# KiCad board travis_erg2024-new6.kicad_pcb (continued)
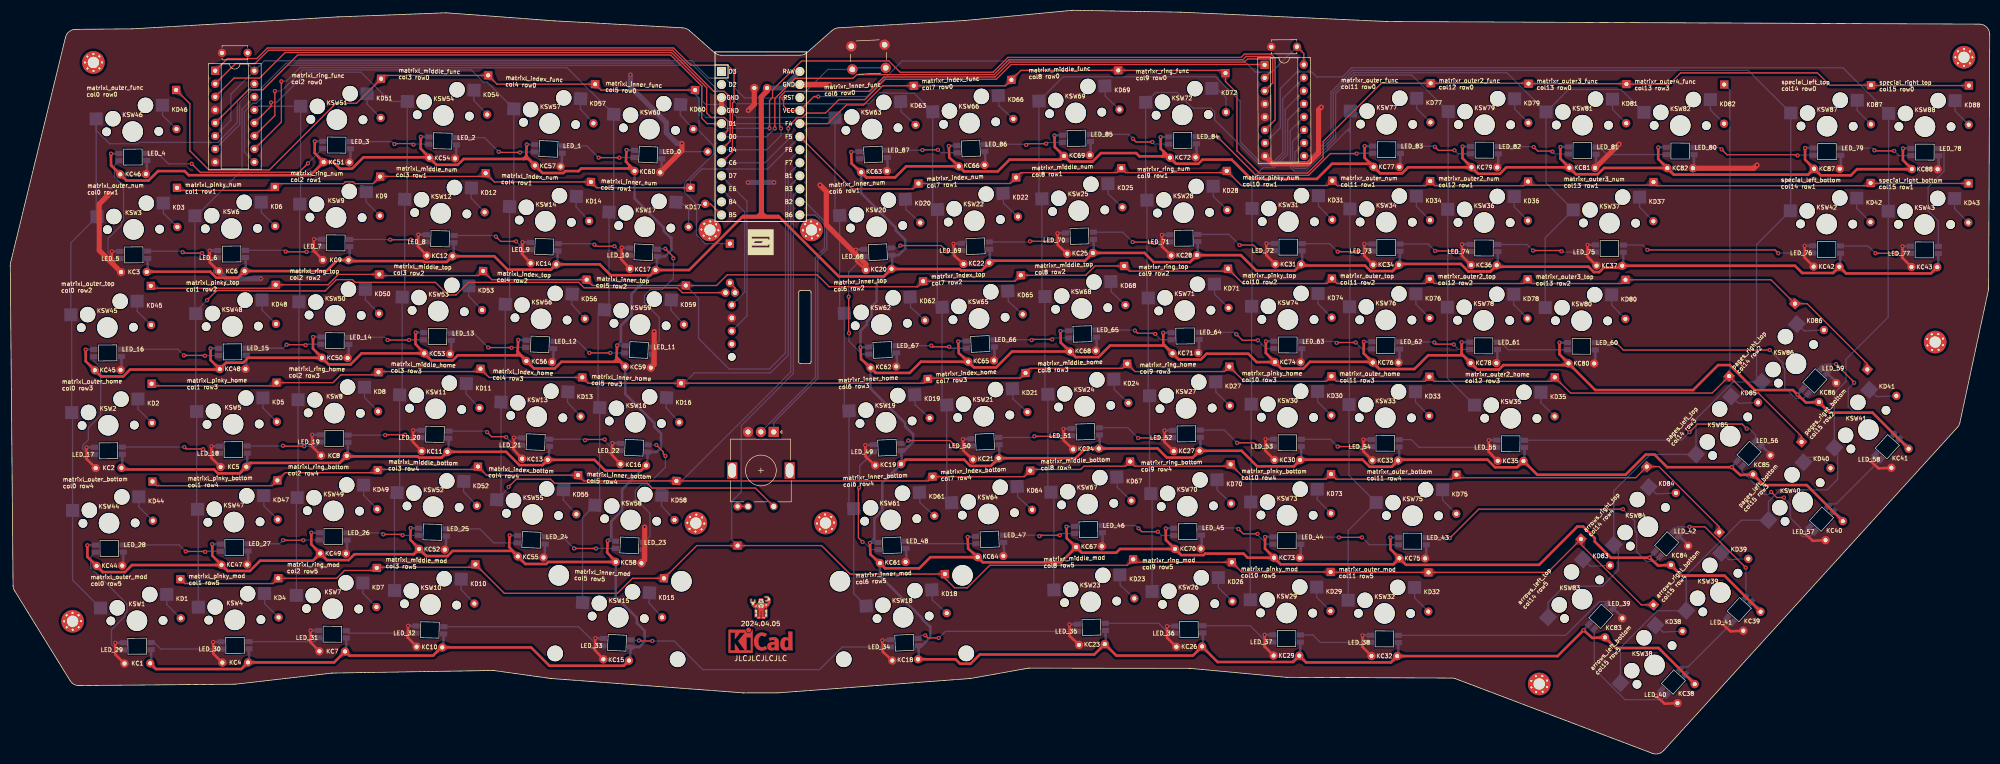
[diagram p0: board, top side]
## Routing (per net, layer and track width the routed paths; a pad name or vN(x,y) marks a point on that pad's centre or on a via; arc(x,y) is an arc through that point) (continued)
  Top w1: C1.1 147.31,129.05 146.16,127.9 146.21,113.4 146.21,104.71
  Bottom w0.5: KLED59.1 118.11,79.52 v1(118.11,79.51) 118.85,80.26 118.85,83.37 120.91,85.43 120.91,89.51 KC17.1 125.8,94.38 KLED17.1 127.41,96.81 128.66,98.06 128.66,100.47 128.5,100.47 127.21,101.76 127.21,102.4 121.51,108.11 KC60.1 ; 294.73,59.64 294.72,57.2 KC35.1 ; KC30.1 251.25,57.39 KLED30.1 ; KLED82.1 320.76,118.08 v1(320.75,118.07) ; KC25.1 210.9,97.72 KLED25.1 ; v1(182.67,118.33) 182.68,118.34 KLED66.1 ; KLED64.1 186.33,42.23 v1(186.33,42.22) ; v1(14.66,78.7) 14.67,78.7 KLED45.1 ; v1(58.6,43.05) 58.61,43.06 KLED49.1 ; KC4.1 46.47,17.99 KLED4.1 ; KC3.1 26.76,94.02 KLED3.1 ; KC1.1 27.43,17.82 KLED1.1 ; KLED67.1 205.57,44.22 v1(205.56,44.22) ; KLED9.1 66.03,96.3 KC9.1 ; KLED55.1 97.2,42.53 v1(97.19,42.52) ; KLED43.1 375.24,94.95 KC43.1 ; KC36.1 289.52,95.32 KLED36.1 ; KLED6.1 45.81,94.19 KC6.1 ; KLED44.1 15,40.6 v1(15,40.6) ; KLED7.1 65.37,20.11 KC7.1 ; KC42.1 356.19,95.03 KLED42.1 ; KC40.1 356.66,45.56 KLED40.1 ; v1(224.89,43.88) 224.9,43.89 KLED70.1 ; KLED77.1 263.61,118.33 v1(263.6,118.32) ; KC24.1 212.06,59.64 KLED24.1 ; KLED13.1 104.82,57.42 KC13.1 ; v1(306.22,24.07) 306.22,24.08 KLED83.1 ; v1(223.89,120.07) 223.9,120.08 KLED72.1 ; KLED11.1 85.28,58.98 KC11.1 ; v1(163.65,117.17) 163.66,117.17 KLED63.1 ; KLED62.1 165.49,79.12 v1(165.48,79.11) 165.48,82.33 166.73,83.58 166.73,84.22 167.14,84.6 167.42,84.98 167.61,85.18 167.61,87.03 168.61,88.03 168.61,91.53 KC20.1 171.71,94.64 KLED20.1 172.87,97.08 174.2,98.41 174.2,100.07 172.35,101.92 172.35,102.41 165.61,109.15 KC63.1 ; KLED21.1 192.55,57.75 KC21.1 ; KLED51.1 59.27,119.25 v1(59.26,119.25) ; v1(282.65,118.24) 282.66,118.24 KLED79.1 ; 79.48,43.92 77.92,43.96 v1(77.92,43.95) ; KLED46.1 19.6,116.85 v1(19.59,116.84) ; KLED2.1 21.83,55.87 KC2.1 ; KC8.1 65.7,58.21 KLED8.1 ; KLED39.1 340.65,27.94 KC39.1 ; KLED48.1 38.98,78.92 v1(38.98,78.91) ; KLED5.1 46.14,56.09 KC5.1 ; KLED31.1 251.42,95.49 KC31.1 ; KLED12.1 86.28,97.07 KC12.1 ; KLED33.1 270.3,57.31 KC33.1 ; v1(224.39,81.97) 224.4,81.98 KLED71.1 ; KLED68.1 204.4,82.31 v1(204.4,82.3) ; KLED57.1 100.52,118.66 v1(100.52,118.65) ; v1(244.39,80.3) 244.39,80.31 KLED74.1 ; KC38.1 327.84,13.84 KLED38.1 ; KLED23.1 213.22,21.56 KC23.1 ; KC61.1 169.27,34.6 177.5,26.37 177.5,26.2 178.87,24.83 179.08,24.83 179.08,22.67 177.45,21.04 KLED18.1 176.86,18.6 KC18.1 ; v1(78.91,82.04) 78.92,82.05 KLED53.1 ; KLED26.1 232.15,21.09 KC26.1 ; KLED73.1 244.23,42.21 v1(244.22,42.2) ; KC29.1 251.09,19.29 KLED29.1 ; KC59.1 119.68,70.05 125.38,64.35 125.38,63.64 126.65,62.37 126.65,59.58 125.83,58.76 KLED16.1 123.97,56.32 KC16.1 119.08,51.45 119.08,47.37 116.97,45.27 116.97,42.15 v1(116.28,41.46) 116.29,41.46 KLED58.1 ; KC32.1 270.14,19.21 KLED32.1 ; v1(58.93,81.15) 58.94,81.16 KLED50.1 ; v1(319.03,38.17) 319.03,38.18 KLED84.1 ; KC37.1 313.93,95.22 KLED37.1 ; KLED47.1 39.32,40.82 v1(39.31,40.81) ; KLED27.1 231.66,59.19 KC27.1 ; KC10.1 84.28,20.9 KLED10.1 ; KLED75.1 268.64,42.1 v1(268.63,42.1) ; KC14.1 106.48,95.48 KLED14.1 ; KLED60.1 119.94,117.57 v1(119.94,117.57) ; v1(263.44,80.22) 263.44,80.23 KLED76.1 ; v1(184.5,80.27) 184.5,80.28 KLED65.1 ; KLED54.1 79.92,120.13 v1(79.91,120.13) ; v1(368.38,117.86) 368.38,117.87 KLED88.1 ; KC15.1 120.64,18.34 KLED15.1 122.42,20.77 123.47,21.83 123.47,23.92 121.95,25.44 121.95,26.47 117.85,30.57 KC58.1 ; 168.87,41.14 167.32,41.06 v1(167.31,41.05) 168.19,41.94 168.19,45.8 169.22,46.83 169.22,46.9 169.73,47.41 169.73,52.76 KC19.1 173.54,56.59 KLED19.1 174.03,59.03 175.72,60.72 175.72,62.19 174.18,63.74 174.18,64.35 167.44,71.09 KC62.1 ; KC28.1 231.16,97.28 KLED28.1 ; KC34.1 270.47,95.41 KLED34.1 ; KLED81.1 301.71,118.16 v1(301.7,118.15) ; KLED69.1 203.24,120.39 v1(203.23,120.38) ; KLED85.1 335.04,55.8 v1(335.04,55.79) ; v1(301.54,80.05) 301.54,80.06 KLED80.1 ; KLED41.1 369.47,59.67 KC41.1 ; KLED87.1 349.33,117.95 v1(349.33,117.95) ; KC22.1 190.73,95.81 KLED22.1 ; KLED56.1 98.86,80.59 v1(98.85,80.58) ; v1(282.49,80.14) 282.49,80.14 KLED78.1 ; v1(347.85,69.89) 347.85,69.9 KLED86.1
  Bottom w1: MCU1.24 150.46,129.63 C1.1
row0: length 445.9
  Top w0.25: MCU1.20 159.08,122.69 162.72,126.33 166.07,126.33 169.8,130.06 KD63.1 193.69,130.06 KD66.1 196.69,133.06 KD69.1 235.99,133.06 KD72.1 236.52,130.88 238.74,128.67 238.74,117.41 243.08,113.07 252.51,113.07 255.53,116.09 255.53,119.22 266.87,130.56 KD77.1 295.42,130.56 KD79.1 314.46,130.47 KD81.1 322.91,130.39 325.1,132.58 351.72,132.58 354.11,130.18 KD87.1 362.26,130.1 KD88.1 ; KD46.1 34.96,126.57 34.96,117.39 38.67,113.67 50.41,113.67 63.4,126.66 67.39,126.66 KD51.1 72.82,132.08 KD54.1 94.73,130.37 KD57.1 114.97,129.23 KD60.1
  Bottom w0.25: 133.3,128.43 134.06,127.67 ; 133.3,128.43 134.06,127.67 ; 133.3,128.43 KD60.1 ; 134.06,127.67 134.06,124.32 ; 134.06,127.67 134.06,125.24 134.32,124.98 ; MCU1.20 140.22,122.69 139.02,123.89 135.41,123.89 134.53,124.76 ; 134.22,124.88 134.32,124.98 ; 134.22,124.88 134.42,124.88 134.53,124.76 ; 134.22,124.88 134.06,124.72 134.06,124.32 ; 134.32,124.98 134.53,124.76 ; 134.06,124.32 134.06,121.25 136.85,118.46 136.85,116.73 131.23,111.1 131.23,109.31 133.58,106.95 133.58,101.01 135.27,99.32 D1.1
row1: length 367.3
  Top w0.25: MCU1.19 163.85,109.97 175.7,109.97 KD20.1 194.61,111.03 KD22.1 196.72,113.15 215.36,113.15 KD25.1 217.1,113.15 236.43,113.15 KD28.1 239.62,110.63 256.36,110.63 KD31.1 258.3,110.61 275.47,110.61 KD34.1 277.26,110.61 294.6,110.61 KD36.1 296.13,110.71 319.22,110.71 KD37.1 320.54,110.61 361.56,110.61 KD42.1 362.17,111.05 KD43.1 ; KD3.1 32.95,109.69 50.83,109.69 KD6.1 52.15,111.01 64.86,111.01 65.21,111.36 66.76,111.36 67.11,111.01 70.63,111.01 KD9.1 72.03,112.41 91.89,112.41 KD12.1 94.22,111.34 KD14.1 114.14,110.2 KD17.1
  Bottom w0.25: KD17.1 132.39,111.63 134.63,113.87 147.4,113.87 MCU1.19
row2: length 425.5
  Top w0.25: KD45.1 27.81,90.64 50.99,90.64 KD48.1 61.85,91.31 63.86,93.33 KD50.1 72.05,93.11 91.13,93.11 KD53.1 93.71,92.31 KD56.1 113.3,91.18 KD59.1 137.47,91.18 139.55,93.25 157.06,93.25 159.39,90.92 176.59,90.92 KD62.1 195.52,92 KD65.1 209.31,93.17 211.12,94.98 KD68.1 217.81,93.97 236.56,93.97 KD71.1 239.9,91.56 256.25,91.56 KD74.1 258.22,91.56 275.38,91.56 KD76.1 277.18,91.56 294.52,91.56 KD78.1 296.15,91.56 313.65,91.56 KD80.1 342.69,92.29 KD86.1 349.72,87.63 361.45,75.9 KD41.1
  Bottom w0.25: KD59.1 133.96,88.69 133.96,80.86 139.91,74.92 147.76,74.92 150.88,78.04 150.88,114.81 MCU1.18
row3: length 456.9
  Top w0.25: KD40.1 348.64,61.8 340.2,70.24 337.83,70.24 KD85.1 331.25,70.24 303.68,70.24 KD35.1 299.82,72.51 277.1,72.51 KD33.1 275.3,72.51 258.13,72.51 KD30.1 256.17,72.51 240.15,72.51 KD27.1 236.3,74.41 218.91,74.41 KD24.1 216.5,75.05 198.51,75.05 KD21.1 196.6,73.14 178.75,73.14 KD19.1 177.76,72.15 KD16.1 112.47,72.15 KD13.1 93.2,73.28 KD11.1 90.98,74.41 71.8,74.41 KD8.1 71.16,73.78 64.34,73.78 62.83,72.26 KD5.1 51.21,71.64 27.92,71.64 KD2.1
  Bottom w0.25: KD82.1 334.69,129.21 334.69,73.68 KD85.1 ; KD16.1 131.14,72.15 133.15,74.16 147.96,74.16 151.41,77.61 151.41,112.81 MCU1.17
row4: length 389.5
  Top w0.25: KD39.1 332.63,44.17 320.9,55.9 KD84.1 316.37,53.75 282.07,53.75 KD75.1 280.6,53.46 258.05,53.46 KD73.1 256.08,53.46 240.4,53.46 KD70.1 237.18,56 218.87,56 KD67.1 217.07,56 208.97,56 208.34,55.36 198.76,55.36 KD64.1 197.35,53.95 KD61.1 178.67,53.12 KD58.1 111.63,53.12 KD55.1 92.69,54.24 KD52.1 90.48,55.36 71.63,55.36 KD49.1 70.99,54.73 53.51,54.73 KD47.1 50.97,52.19 28.5,52.19 KD44.1
  Bottom w0.25: KD58.1 130.68,53.12 151.9,74.34 151.9,107.69 151.92,107.71 151.92,110.78 MCU1.16
row5: length 386.1
  Top w0.25: KD38.1 317.46,28.99 305.72,40.73 KD83.1 299.23,35.31 KD32.1 257.07,35.31 KD29.1 239.67,35.39 KD26.1 219.12,37.29 KD23.1 217.39,36.69 190.64,36.69 186.25,32.3 183.8,32.3 181.91,34.19 KD18.1 163.44,34.99 157.9,40.53 D2.1 133.6,40.53 KD15.1 121.12,34.16 118.19,31.23 96.16,31.23 KD10.1 89.97,36.31 71.46,36.31 KD7.1 70.83,35.68 65.06,35.68 63.54,34.16 KD4.1 51.13,33.14 33.97,33.14 KD1.1
  Bottom w0.25: MCU1.15 152.41,108.72 152.41,74.03 142.27,63.9 142.27,51 140.42,49.14 140.42,41.67 D2.1
RST: length 19.1
  Bottom w0.25: SW1.2 164.21,133.56 SW1.2 159.16,133.25 MCU1.22
scr_to: length 2.3
  Top w0.25: D1.2 141.06,90.7 SCR1.S2
scrA: length 25.5
  Bottom w0.25: MCU1.10 142.94,105.49 142.94,89.89 SCR1.A
scrC: length 33.5
  Bottom w0.25: SCR1.C 143.39,85.26 143.39,107.58 MCU1.9
special_left_bottom: length 5.8
  Bottom w0.25: KD42.2 359.38,106.21 KSW42.2
special_left_top: length 5.8
  Bottom w0.25: KD87.2 359.47,125.26 KSW87.2
special_right_bottom: length 5.8
  Bottom w0.25: KSW43.2 378.43,106.12 KD43.2
special_right_top: length 5.8
  Bottom w0.25: KD88.2 378.52,125.17 KSW88.2

## Copper pours and planes (outline as drawn; the poured copper is in the pictures)
GND on Top: 415.65,158.99 411.87,84.88 402.65,39.44 373.44,2.1 331.25,-23.86 -3.6,-7.1 -22.52,30.77 -19.3,101.11 1.81,160.06 60.23,164.94
GND on Bottom: 7.8,151.75 -8.83,94.35 -10.18,29.45 4.76,2.28 329.19,-13.35 391.01,55.95 398.48,91.28 396.09,152.44

Small or netless copper shapes (teardrops, artwork), in the pictures only: 624 on Top, 950 on Bottom

## Text on the board
B.Silkscreen: matrixl_inner_mod / col5 row5 | matrixl_inner_bottom / col5 row4 | matrixl_inner_home / col5 row3 | matrixl_inner_top / col5 row2 | matrixl_inner_num / col5 row1 | matrixl_inner_func / col5 row0 | matrixl_index_bottom / col4 row4 | matrixl_index_home / col4 row3 | matrixl_index_top / col4 row2 | matrixl_index_num / col4 row1 | matrixl_index_func / col4 row0 | matrixl_middle_mod / col3 row5 | matrixl_middle_bottom / col3 row4 | matrixl_middle_home / col3 row3 | matrixl_middle_top / col3 row2 | matrixl_middle_num / col3 row1 | matrixl_middle_func / col3 row0 | matrixl_ring_mod / col2 row5 | matrixl_ring_bottom / col2 row4 | matrixl_ring_home / col2 row3 | matrixl_ring_top / col2 row2 | matrixl_ring_num / col2 row1 | matrixl_ring_func / col2 row0 | matrixr_pinky_mod / col10 row5 | matrixr_pinky_bottom / col10 row4 | matrixr_pinky_home / col10 row3 | matrixr_pinky_top / col10 row2 | matrixr_pinky_num / col10 row1 | matrixr_outer_mod / col11 row5 | matrixr_outer_home / col11 row3 | matrixr_outer_top / col11 row2 | matrixr_outer_num / col11 row1 | matrixr_outer_func / col11 row0 | matrixr_outer_bottom / col11 row4 | matrixr_outer2_top / col12 row2 | matrixr_outer2_num / col12 row1 | matrixr_outer2_func / col12 row0 | matrixr_outer2_home / col12 row3 | matrixr_outer3_top / col13 row2 | matrixr_outer3_func / col13 row0 | matrixr_outer3_num / col13 row1 | matrixr_outer4_func / col13 row3 | special_left_bottom / col14 row1 | special_left_top / col14 row0 | special_right_bottom / col15 row1 | special_right_top / col15 row0 | matrixl_outer_top / col0 row2 | matrixl_outer_home / col0 row3 | matrixl_outer_bottom / col0 row4 | matrixl_outer_func / col0 row0 | matrixl_outer_num / col0 row1 | matrixl_outer_mod / col0 row5 | matrixl_pinky_num / col1 row1 | matrixl_pinky_top / col1 row2 | matrixl_pinky_home / col1 row3 | matrixl_pinky_bottom / col1 row4 | matrixl_pinky_mod / col1 row5 | matrixr_ring_func / col9 row0 | matrixr_ring_num / col9 row1 | matrixr_ring_top / col9 row2 | matrixr_ring_home / col9 row3 | matrixr_ring_bottom / col9 row4 | matrixr_ring_mod / col9 row5 | matrixr_middle_func / col8 row0 | matrixr_middle_num / col8 row1 | matrixr_middle_top / col8 row2 | matrixr_middle_home / col8 row3 | matrixr_middle_bottom / col8 row4 | matrixr_middle_mod / col8 row5 | matrixr_inner_func / col6 row0 | matrixr_inner_num / col6 row1 | matrixr_inner_top / col6 row2 | matrixr_inner_home / col6 row3 | matrixr_inner_bottom / col6 row4 | matrixr_inner_mod / col6 row5 | matrixr_index_func / col7 row0 | matrixr_index_num / col7 row1 | matrixr_index_top / col7 row2 | matrixr_index_home / col7 row3 | matrixr_index_bottom / col7 row4 | arrows_left_top / col14 row5 | arrows_right_top / col14 row4 | arrows_left_bottom / col15 row5 | arrows_right_bottom / col15 row4 | pages_left_top / col14 row3 | pages_right_top / col14 row2 | pages_left_bottom / col15 row3 | pages_right_bottom / col15 row2 | JLCJLCJLCJLC
F.Silkscreen: matrixl_inner_mod / col5 row5 | matrixl_inner_bottom / col5 row4 | matrixl_inner_home / col5 row3 | matrixl_inner_top / col5 row2 | matrixl_inner_num / col5 row1 | matrixl_inner_func / col5 row0 | matrixl_index_bottom / col4 row4 | matrixl_index_home / col4 row3 | matrixl_index_top / col4 row2 | matrixl_index_num / col4 row1 | matrixl_index_func / col4 row0 | matrixl_middle_mod / col3 row5 | matrixl_middle_bottom / col3 row4 | matrixl_middle_home / col3 row3 | matrixl_middle_top / col3 row2 | matrixl_middle_num / col3 row1 | matrixl_middle_func / col3 row0 | matrixl_ring_mod / col2 row5 | matrixl_ring_bottom / col2 row4 | matrixl_ring_home / col2 row3 | matrixl_ring_top / col2 row2 | matrixl_ring_num / col2 row1 | matrixl_ring_func / col2 row0 | matrixr_pinky_mod / col10 row5 | matrixr_pinky_bottom / col10 row4 | matrixr_pinky_home / col10 row3 | matrixr_pinky_top / col10 row2 | matrixr_pinky_num / col10 row1 | matrixr_outer_mod / col11 row5 | matrixr_outer_home / col11 row3 | matrixr_outer_top / col11 row2 | matrixr_outer_num / col11 row1 | matrixr_outer_func / col11 row0 | matrixr_outer_bottom / col11 row4 | matrixr_outer2_top / col12 row2 | matrixr_outer2_num / col12 row1 | matrixr_outer2_func / col12 row0 | matrixr_outer2_home / col12 row3 | matrixr_outer3_top / col13 row2 | matrixr_outer3_func / col13 row0 | matrixr_outer3_num / col13 row1 | matrixr_outer4_func / col13 row3 | special_left_bottom / col14 row1 | special_left_top / col14 row0 | special_right_bottom / col15 row1 | special_right_top / col15 row0 | LED_16 | LED_28 | KD45 | KD2 | LED_4 | KD44 | KD46 | KD3 | KD1 | LED_15 | LED_27 | KD6 | KD48 | KD5 | KD47 | KD4 | LED_26 | LED_14 | LED_3 | KD7 | KD49 | KD8 | KD50 | KD9 | KD51 | LED_25 | LED_13 | LED_2 | KD10 | KD52 | KD11 | KD53 | KD12 | KD54 | LED_24 | LED_12 | LED_1 | KD55 | KD13 | KD56 | KD14 | KD57 | LED_23 | LED_11 | KD15 | LED_0 | KD58 | KD16 | KD59 | KD17 | KD60 | LED_87 | LED_67 | LED_48 | KD63 | KD20 | KD62 | KD19 | KD61 | KD18 | LED_86 | LED_66 | LED_47 | KD66 | KD22 | KD65 | KD21 | KD64 | LED_85 | LED_65 | LED_46 | KD69 | KD25 | KD68 | KD24 | KD67 | KD23 | LED_84 | LED_64 | LED_45 | KD72 | KD28 | KD71 | KD27 | KD70 | KD26 | LED_44 | LED_63 | KD29 | KD73 | KD30 | KD74 | KD31 | LED_62 | LED_83 | KD32 | KD33 | KD76 | KD34 | KD77 | LED_43 | KD75 | LED_61 | LED_82 | KD78 | KD36 | KD79 | KD35 | KD83 | LED_60 | LED_81 | LED_39 | KD80 | KD81 | KD37 | KD84 | KD38 | LED_42 | LED_80 | KD82 | KD39 | KD85 | LED_56 | KD86 | KD40 | LED_59 | LED_79 | KD42 | KD87 | KD41 | LED_78 | KD43 | KD88 | KC45 | KC2 | KC44 | KC46 | KC3 | KC1 | KC6 | KC48 | KC5 | KC47 | KC4 | KC7 | KC49 | KC8 | KC50 | KC9 | KC51 | KC10 | KC52 | KC11 | KC53 | KC12 | KC54 | KC55 | KC13 | KC56 | KC14 | KC57 | KC15 | KC58 | KC16 | KC59 | KC17 | KC60 | KC63 | KC20 | KC62 | KC19 | KC61 | KC18 | KC66 | KC22 | KC65 | KC21 | KC64 | KC69 | KC25 | KC68 | KC24 | KC67 | KC23 | KC72 | KC28 | KC71 | KC27 | KC70 | KC26 | KC29 | KC73 | KC30 | KC74 | KC31 | KC32 | KC33 | KC76 | KC34 | KC77 | KC75 | KC78 | KC36 | KC79 | KC35 | KC80 | KC81 | KC37 | KC83 | KC84 | KC82 | KC38 | KC39 | KC85 | KC42 | KC87 | KC86 | KC40 | KC41 | KC43 | KC88 | LED_17 | LED_5 | LED_29 | LED_6 | LED_18 | LED_30 | LED_31 | LED_19 | LED_7 | LED_32 | LED_20 | LED_8 | LED_21 | LED_9 | LED_33 | LED_22 | LED_10 | LED_68 | LED_49 | LED_34 | LED_69 | LED_50 | LED_70 | LED_51 | LED_35 | LED_71 | LED_52 | LED_36 | LED_37 | LED_53 | LED_72 | LED_38 | LED_54 | LED_73 | LED_74 | LED_55 | LED_75 | LED_40 | LED_41 | LED_76 | LED_57 | LED_58 | LED_77 | matrixl_outer_top / col0 row2 | matrixl_outer_home / col0 row3 | matrixl_outer_bottom / col0 row4 | matrixl_outer_func / col0 row0 | matrixl_outer_num / col0 row1 | matrixl_outer_mod / col0 row5 | matrixl_pinky_num / col1 row1 | matrixl_pinky_top / col1 row2 | matrixl_pinky_home / col1 row3 | matrixl_pinky_bottom / col1 row4 | matrixl_pinky_mod / col1 row5 | matrixr_ring_func / col9 row0 | matrixr_ring_num / col9 row1 | matrixr_ring_top / col9 row2 | matrixr_ring_home / col9 row3 | matrixr_ring_bottom / col9 row4 | matrixr_ring_mod / col9 row5 | matrixr_middle_func / col8 row0 | matrixr_middle_num / col8 row1 | matrixr_middle_top / col8 row2 | matrixr_middle_home / col8 row3 | matrixr_middle_bottom / col8 row4 | matrixr_middle_mod / col8 row5 | matrixr_inner_func / col6 row0 | matrixr_inner_num / col6 row1 | matrixr_inner_top / col6 row2 | matrixr_inner_home / col6 row3 | matrixr_inner_bottom / col6 row4 | matrixr_inner_mod / col6 row5 | matrixr_index_func / col7 row0 | matrixr_index_num / col7 row1 | matrixr_index_top / col7 row2 | matrixr_index_home / col7 row3 | matrixr_index_bottom / col7 row4 | arrows_left_top / col14 row5 | arrows_right_top / col14 row4 | arrows_left_bottom / col15 row5 | arrows_right_bottom / col15 row4 | pages_left_top / col14 row3 | pages_right_top / col14 row2 | pages_left_bottom / col15 row3 | pages_right_bottom / col15 row2 | 2024.04.05 | JLCJLCJLCJLC
